# Altium PCB UZ_A_MAX11331_Daughter.PcbDoc (part 7 of 7) (continued)
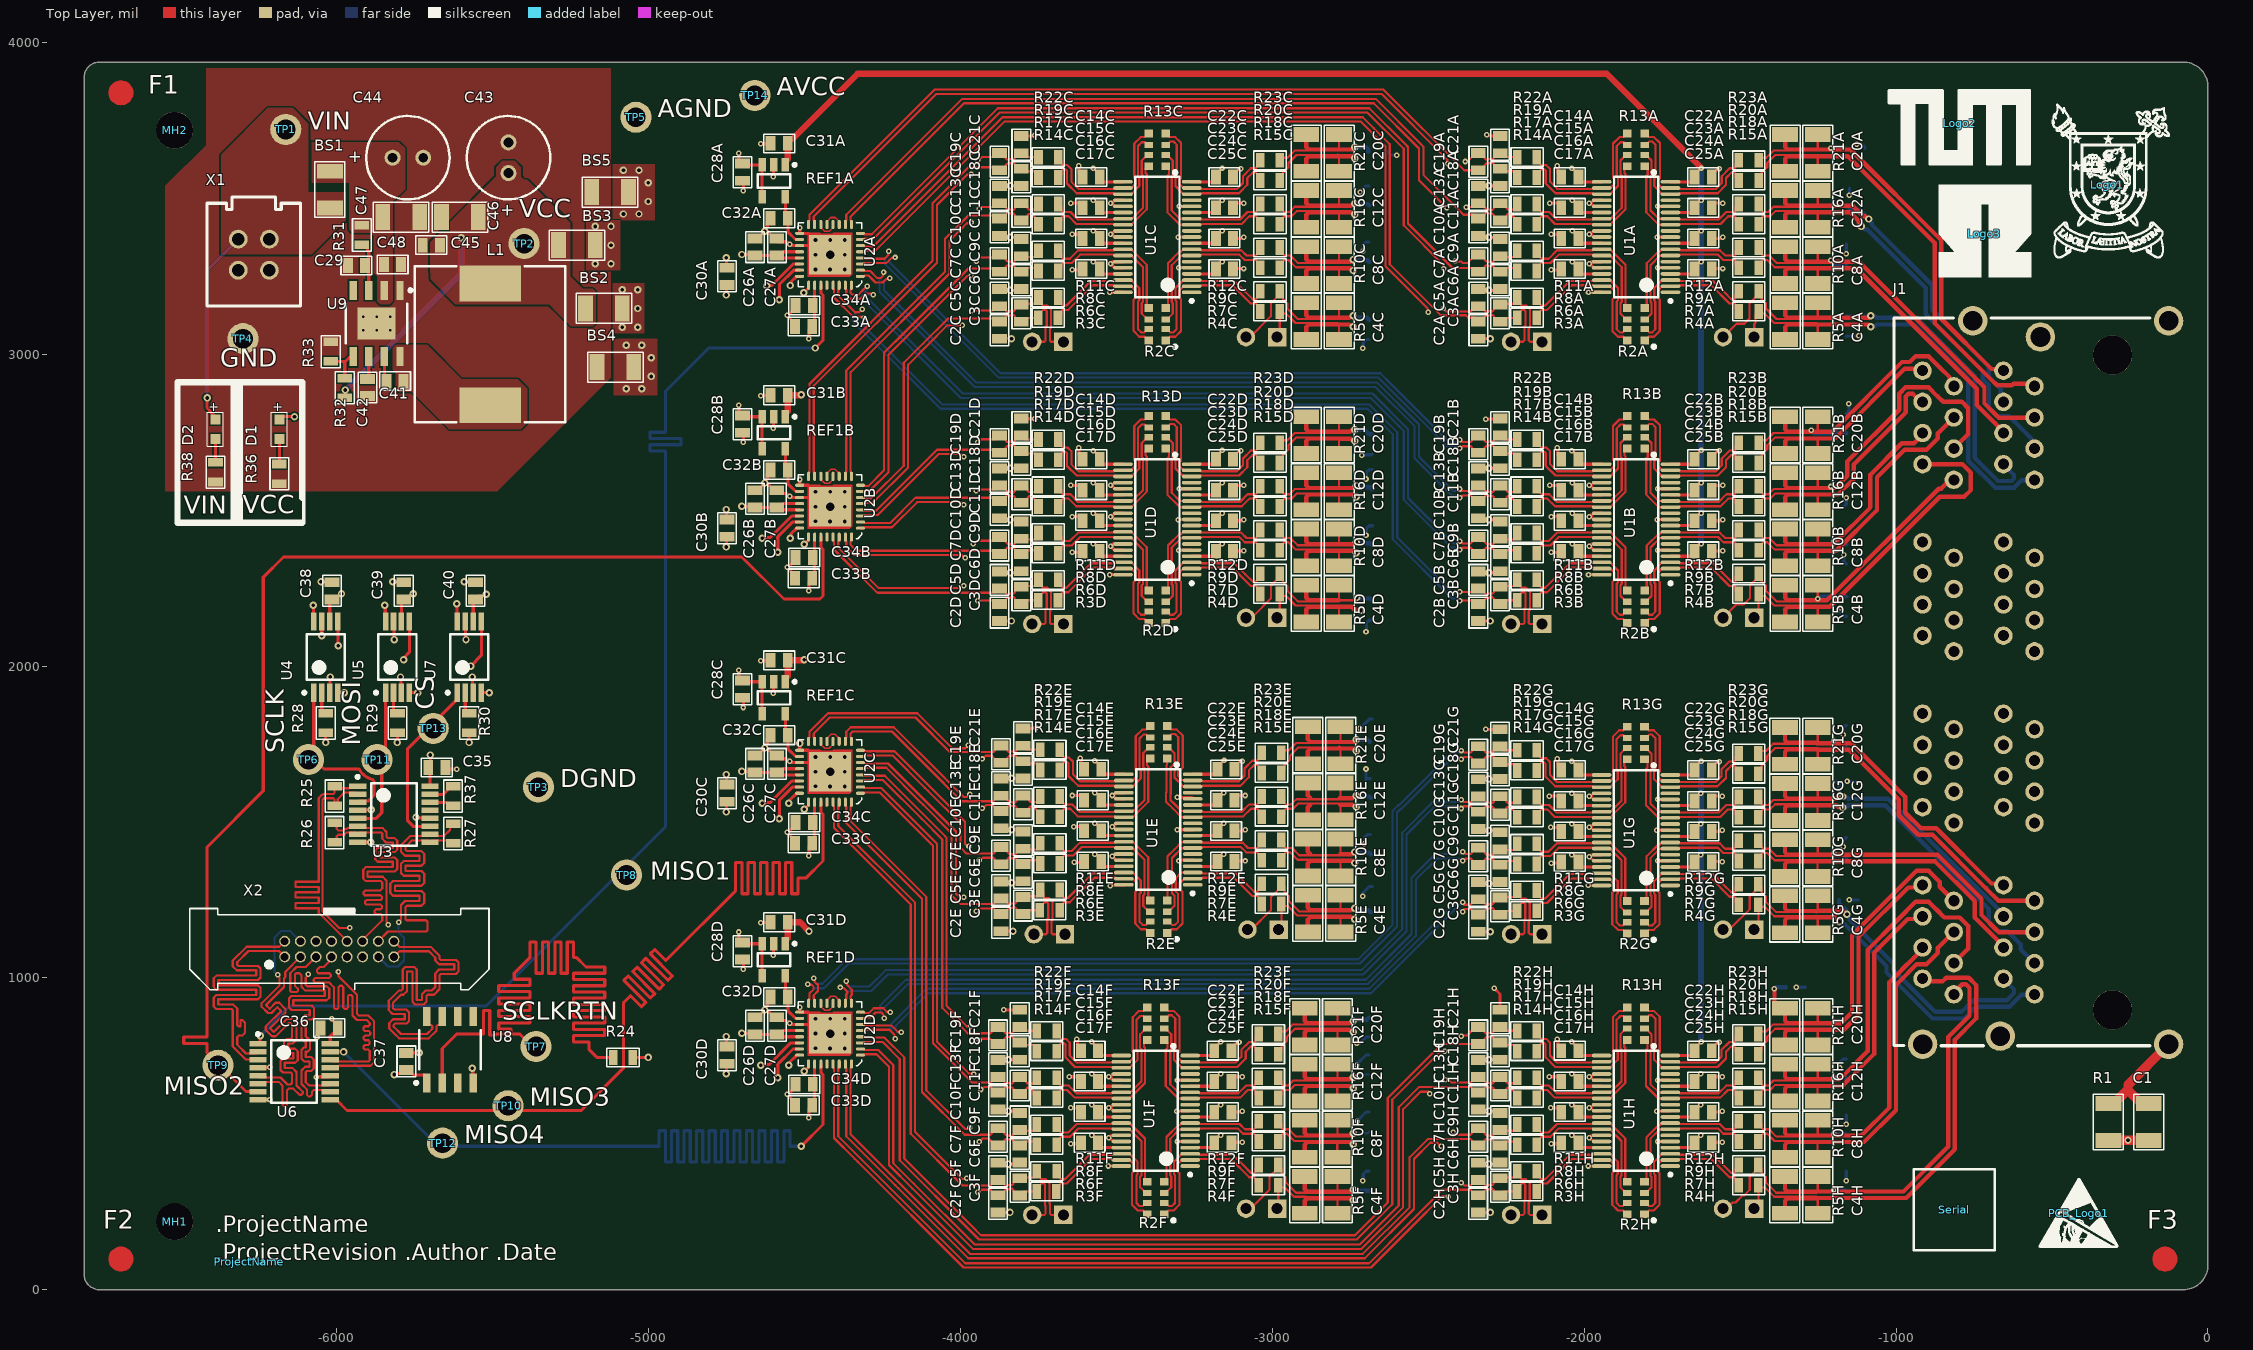
[diagram p0: Top Layer view]
## Nets (pads, with @x,y where several pads share a name; then routed paths per layer and width w, separated by ;. In a path a pad name is that pad's centre, name@x,y a point inside that pad or via, vN(x,y) a via of type N, cw(c..) or ccw(c..) an arc to the next point about the centre after c; other vN are vias at no path point) (continued)
  Top Layer w7: R17H.2@-2152.29,680 -2142.01,669.72 -2142.01,658.6 -2137.91,654.5 -2112.91,654.5 -2088.4,629.99 -1974.15,629.99 -1971.31,632.83 U1H.26@-1944.42,632.83 -1917.52,632.83 -1915.12,635.24 -1913.02,635.24 -1880.42,667.84 -1880.42,771.03 -1884.26,774.87 -1884.26,819.22 -1865.92,837.56 R13H.7@-1861.98,837.56
TD3A_N: R2A.6 R8A.2 U1A.32 | length 497.1
  Top Layer w7: R8A.2@-2151.82,3267.05 -2141.54,3277.33 -2141.54,3288.45 -2137.44,3292.55 -2108.49,3292.55 -2081.42,3319.61 -1973.68,3319.61 -1970.84,3316.77 U1A.32@-1943.94,3316.77 -1917.66,3316.77 -1879.95,3279.05 -1879.95,3168.43 -1883.79,3164.58 -1883.79,3130.39 -1865.45,3112.05 R2A.6@-1861.51,3112.05
TD3A_P: R2A.5 R11A.2 U1A.31 | length 474.9
  Top Layer w7: R11A.2@-2151.82,3332.05 -2141.54,3321.77 -2141.54,3310.65 -2137.44,3306.55 -2114.29,3306.55 -2087.22,3333.61 -1973.68,3333.61 -1970.84,3336.46 U1A.31@-1943.94,3336.46 -1917.67,3336.46 -1867.95,3286.74 -1867.95,3154.9 R2A.5@-1861.51,3148.46
TD3B_N: R2B.6 R8B.2 U1B.32 | length 497.1
  Top Layer w7: R8B.2@-2151.82,2361.54 -2141.54,2371.82 -2141.54,2382.93 -2137.44,2387.04 -2108.49,2387.04 -2081.42,2414.1 -1973.68,2414.1 -1970.84,2411.26 U1B.32@-1943.94,2411.26 -1917.66,2411.26 -1879.95,2373.54 -1879.95,2262.91 -1883.79,2259.07 -1883.79,2224.88 -1865.45,2206.54 R2B.6@-1861.51,2206.54
TD3B_P: R2B.5 R11B.2 U1B.31 | length 474.9
  Top Layer w7: R11B.2@-2151.82,2426.54 -2141.54,2416.26 -2141.54,2405.14 -2137.44,2401.04 -2114.29,2401.04 -2087.22,2428.1 -1973.68,2428.1 -1970.84,2430.94 U1B.31@-1943.94,2430.94 -1917.67,2430.94 -1867.95,2381.23 -1867.95,2249.39 R2B.5@-1861.51,2242.95
TD3C_N: R2C.6 R8C.2 U1C.32 | length 497.1
  Top Layer w7: R8C.2@-3687.25,3267.05 -3676.97,3277.33 -3676.97,3288.45 -3672.87,3292.55 -3643.92,3292.55 -3616.86,3319.61 -3509.11,3319.61 -3506.27,3316.77 U1C.32@-3479.38,3316.77 -3453.1,3316.77 -3415.38,3279.05 -3415.38,3168.43 -3419.22,3164.58 -3419.22,3130.39 -3400.88,3112.05 R2C.6@-3396.94,3112.05
TD3C_P: R2C.5 R11C.2 U1C.31 | length 474.9
  Top Layer w7: R11C.2@-3687.25,3332.05 -3676.97,3321.77 -3676.97,3310.65 -3672.87,3306.55 -3649.72,3306.55 -3622.66,3333.61 -3509.11,3333.61 -3506.27,3336.46 U1C.31@-3479.38,3336.46 -3453.1,3336.46 -3403.38,3286.74 -3403.38,3154.9 R2C.5@-3396.94,3148.46
TD3D_N: R2D.6 R8D.2 U1D.32 | length 497.1
  Top Layer w7: R8D.2@-3687.25,2361.54 -3676.97,2371.82 -3676.97,2382.93 -3672.87,2387.04 -3643.92,2387.04 -3616.86,2414.1 -3509.11,2414.1 -3506.27,2411.26 U1D.32@-3479.38,2411.26 -3453.1,2411.26 -3415.38,2373.54 -3415.38,2262.91 -3419.22,2259.07 -3419.22,2224.88 -3400.88,2206.54 R2D.6@-3396.94,2206.54
TD3D_P: R2D.5 R11D.2 U1D.31 | length 474.9
  Top Layer w7: R11D.2@-3687.25,2426.54 -3676.97,2416.26 -3676.97,2405.14 -3672.87,2401.04 -3649.72,2401.04 -3622.66,2428.1 -3509.11,2428.1 -3506.27,2430.94 U1D.31@-3479.38,2430.94 -3453.1,2430.94 -3403.38,2381.23 -3403.38,2249.39 R2D.5@-3396.94,2242.95
TD3E_N: R2E.6 R8E.2 U1E.32 | length 497.1
  Top Layer w7: R8E.2@-3682.24,1367.05 -3671.96,1377.33 -3671.96,1388.45 -3667.86,1392.55 -3638.91,1392.55 -3611.85,1419.61 -3504.1,1419.61 -3501.26,1416.77 -3474.37,1416.77 -3448.09,1416.77 -3410.37,1379.05 -3410.37,1268.43 -3414.21,1264.58 -3414.21,1230.39 -3395.87,1212.05 R2E.6@-3391.93,1212.05
TD3E_P: R2E.5 R11E.2 U1E.31 | length 474.9
  Top Layer w7: R11E.2@-3682.24,1432.05 -3671.96,1421.77 -3671.96,1410.65 -3667.86,1406.55 -3644.71,1406.55 -3617.65,1433.61 -3504.1,1433.61 -3501.26,1436.46 -3474.37,1436.46 -3448.09,1436.46 -3398.37,1386.74 -3398.37,1254.9 R2E.5@-3391.93,1248.46
TD3F_N: R2F.6 R8F.2 U1F.32 | length 497.1
  Top Layer w7: R8F.2@-3692.29,465 -3682.01,475.28 -3682.01,486.4 -3677.91,490.5 -3648.96,490.5 -3621.9,517.57 -3514.15,517.57 -3511.31,514.72 U1F.32@-3484.42,514.72 -3458.14,514.72 -3420.42,477.01 -3420.42,366.38 -3424.26,362.54 -3424.26,328.34 -3405.92,310 R2F.6@-3401.98,310
TD3F_P: R2F.5 R11F.2 U1F.31 | length 474.9
  Top Layer w7: R11F.2@-3692.29,530 -3682.01,519.72 -3682.01,508.6 -3677.91,504.5 -3654.76,504.5 -3627.69,531.57 -3514.15,531.57 -3511.31,534.41 U1F.31@-3484.42,534.41 -3458.14,534.41 -3408.42,484.69 -3408.42,352.85 R2F.5@-3401.98,346.42
TD3G_N: R2G.6 R8G.2 U1G.32 | length 497.1
  Top Layer w7: R8G.2@-2152.29,1365 -2142.01,1375.28 -2142.01,1386.4 -2137.91,1390.5 -2108.96,1390.5 -2081.9,1417.57 -1974.15,1417.57 -1971.31,1414.72 U1G.32@-1944.42,1414.72 -1918.14,1414.72 -1880.42,1377.01 -1880.42,1266.38 -1884.26,1262.54 -1884.26,1228.34 -1865.92,1210 R2G.6@-1861.98,1210
TD3G_P: R2G.5 R11G.2 U1G.31 | length 474.9
  Top Layer w7: R11G.2@-2152.29,1430 -2142.01,1419.72 -2142.01,1408.6 -2137.91,1404.5 -2114.76,1404.5 -2087.69,1431.57 -1974.15,1431.57 -1971.31,1434.41 U1G.31@-1944.42,1434.41 -1918.14,1434.41 -1868.42,1384.69 -1868.42,1252.85 R2G.5@-1861.98,1246.42
TD3H_N: R2H.6 R8H.2 U1H.32 | length 497.1
  Top Layer w7: R8H.2@-2152.29,465 -2142.01,475.28 -2142.01,486.4 -2137.91,490.5 -2108.96,490.5 -2081.9,517.57 -1974.15,517.57 -1971.31,514.72 U1H.32@-1944.42,514.72 -1918.14,514.72 -1880.42,477.01 -1880.42,366.38 -1884.26,362.54 -1884.26,328.34 -1865.92,310 R2H.6@-1861.98,310
TD3H_P: R2H.5 R11H.2 U1H.31 | length 474.9
  Top Layer w7: R11H.2@-2152.29,530 -2142.01,519.72 -2142.01,508.6 -2137.91,504.5 -2114.76,504.5 -2087.69,531.57 -1974.15,531.57 -1971.31,534.41 U1H.31@-1944.42,534.41 -1918.14,534.41 -1868.42,484.69 -1868.42,352.85 R2H.5@-1861.98,346.42
TD4A_N: R2A.8 R3A.2 U1A.37 | length 498.2
  Top Layer w7: R3A.2@-2152.24,3117.05 -2141.96,3127.33 -2141.96,3138.36 -2137.86,3142.46 -2119.16,3142.46 -2040.44,3221.19 -1973.68,3221.19 -1970.84,3218.35 -1917.66,3218.35 -1903.95,3204.63 -1903.95,3181.2 -1909.79,3175.35 -1909.79,3074.35 -1891.59,3056.15 -1874.71,3056.15 -1862.69,3044.13 R2A.8@-1861.51,3044.13
TD4A_P: R2A.7 R6A.2 U1A.36 | length 498
  Top Layer w7: R6A.2@-2151.82,3182.05 -2141.54,3171.77 -2141.54,3160.56 -2137.44,3156.46 -2124.96,3156.46 -2046.23,3235.19 -1973.68,3235.19 -1970.84,3238.03 U1A.36@-1943.94,3238.03 -1917.67,3238.03 -1891.95,3212.31 -1891.95,3173.4 -1895.79,3169.55 -1895.79,3080.15 -1885.79,3070.15 -1875.85,3070.15 -1865.45,3080.55 R2A.7@-1861.51,3080.55
TD4B_N: R2B.8 R3B.2 U1B.37 | length 498.2
  Top Layer w7: R3B.2@-2152.24,2211.54 -2141.96,2221.82 -2141.96,2232.85 -2137.86,2236.95 -2119.16,2236.95 -2040.44,2315.68 -1973.68,2315.68 -1970.84,2312.83 -1917.66,2312.83 -1903.95,2299.12 -1903.95,2275.68 -1909.79,2269.84 -1909.79,2168.84 -1891.59,2150.64 -1874.71,2150.64 -1862.69,2138.62 R2B.8@-1861.51,2138.62
TD4B_P: R2B.7 R6B.2 U1B.36 | length 498
  Top Layer w7: R6B.2@-2151.82,2276.54 -2141.54,2266.26 -2141.54,2255.05 -2137.44,2250.95 -2124.96,2250.95 -2046.23,2329.68 -1973.68,2329.68 -1970.84,2332.52 U1B.36@-1943.94,2332.52 -1917.67,2332.52 -1891.95,2306.8 -1891.95,2267.89 -1895.79,2264.04 -1895.79,2174.64 -1885.79,2164.64 -1875.85,2164.64 -1865.45,2175.04 R2B.7@-1861.51,2175.04
TD4C_N: R2C.8 R3C.2 U1C.37 | length 498.2
  Top Layer w7: R3C.2@-3687.67,3117.05 -3677.39,3127.33 -3677.39,3138.36 -3673.29,3142.46 -3654.6,3142.46 -3575.87,3221.19 -3509.11,3221.19 -3506.27,3218.35 -3453.1,3218.35 -3439.38,3204.63 -3439.38,3181.2 -3445.22,3175.35 -3445.22,3074.35 -3427.02,3056.15 -3410.14,3056.15 -3398.12,3044.13 R2C.8@-3396.94,3044.13
TD4C_P: R2C.7 R6C.2 U1C.36 | length 498
  Top Layer w7: R6C.2@-3687.25,3182.05 -3676.97,3171.77 -3676.97,3160.56 -3672.87,3156.46 -3660.4,3156.46 -3581.67,3235.19 -3509.11,3235.19 -3506.27,3238.03 U1C.36@-3479.38,3238.03 -3453.1,3238.03 -3427.38,3212.31 -3427.38,3173.4 -3431.22,3169.55 -3431.22,3080.15 -3421.22,3070.15 -3411.28,3070.15 -3400.88,3080.55 R2C.7@-3396.94,3080.55
TD4D_N: R2D.8 R3D.2 U1D.37 | length 498.2
  Top Layer w7: R3D.2@-3687.67,2211.54 -3677.39,2221.82 -3677.39,2232.85 -3673.29,2236.95 -3654.6,2236.95 -3575.87,2315.68 -3509.11,2315.68 -3506.27,2312.83 -3453.1,2312.83 -3439.38,2299.12 -3439.38,2275.68 -3445.22,2269.84 -3445.22,2168.84 -3427.02,2150.64 -3410.14,2150.64 -3398.12,2138.62 R2D.8@-3396.94,2138.62
TD4D_P: R2D.7 R6D.2 U1D.36 | length 498
  Top Layer w7: R6D.2@-3687.25,2276.54 -3676.97,2266.26 -3676.97,2255.05 -3672.87,2250.95 -3660.4,2250.95 -3581.67,2329.68 -3509.11,2329.68 -3506.27,2332.52 U1D.36@-3479.38,2332.52 -3453.1,2332.52 -3427.38,2306.8 -3427.38,2267.89 -3431.22,2264.04 -3431.22,2174.64 -3421.22,2164.64 -3411.28,2164.64 -3400.88,2175.04 R2D.7@-3396.94,2175.04
TD4E_N: R2E.8 R3E.2 U1E.37 | length 498.2
  Top Layer w7: R3E.2@-3682.66,1217.05 -3672.38,1227.33 -3672.38,1238.36 -3668.28,1242.46 -3649.59,1242.46 -3570.86,1321.19 -3504.1,1321.19 -3501.26,1318.35 -3448.09,1318.35 -3434.37,1304.63 -3434.37,1281.2 -3440.21,1275.35 -3440.21,1174.35 -3422.01,1156.15 -3405.13,1156.15 -3393.12,1144.13 R2E.8@-3391.93,1144.13
TD4E_P: R2E.7 R6E.2 U1E.36 | length 498
  Top Layer w7: R6E.2@-3682.24,1282.05 -3671.96,1271.77 -3671.96,1260.56 -3667.86,1256.46 -3655.39,1256.46 -3576.66,1335.19 -3504.1,1335.19 -3501.26,1338.03 -3474.37,1338.03 -3448.09,1338.03 -3422.37,1312.31 -3422.37,1273.4 -3426.21,1269.55 -3426.21,1180.15 -3416.21,1170.15 -3406.27,1170.15 -3395.87,1180.55 R2E.7@-3391.93,1180.55
TD4F_N: R2F.8 R3F.2 U1F.37 | length 498.2
  Top Layer w7: R3F.2@-3692.71,315 -3682.43,325.28 -3682.43,336.31 -3678.33,340.41 -3659.64,340.41 -3580.91,419.14 -3514.15,419.14 -3511.31,416.3 -3458.14,416.3 -3444.42,402.58 -3444.42,379.15 -3450.26,373.31 -3450.26,272.3 -3432.06,254.1 -3415.18,254.1 -3403.16,242.09 R2F.8@-3401.98,242.09
TD4F_P: R2F.7 R6F.2 U1F.36 | length 498
  Top Layer w7: R6F.2@-3692.29,380 -3682.01,369.72 -3682.01,358.51 -3677.91,354.41 -3665.44,354.41 -3586.71,433.14 -3514.15,433.14 -3511.31,435.98 U1F.36@-3484.42,435.98 -3458.14,435.98 -3432.42,410.27 -3432.42,371.35 -3436.26,367.51 -3436.26,278.1 -3426.26,268.1 -3416.32,268.1 -3405.92,278.5 R2F.7@-3401.98,278.5
TD4G_N: R2G.8 R3G.2 U1G.37 | length 498.2
  Top Layer w7: R3G.2@-2152.71,1215 -2142.43,1225.28 -2142.43,1236.31 -2138.33,1240.41 -2119.64,1240.41 -2040.91,1319.14 -1974.15,1319.14 -1971.31,1316.3 -1918.14,1316.3 -1904.42,1302.58 -1904.42,1279.15 -1910.26,1273.31 -1910.26,1172.3 -1892.06,1154.1 -1875.18,1154.1 -1863.16,1142.09 R2G.8@-1861.98,1142.09
TD4G_P: R2G.7 R6G.2 U1G.36 | length 498
  Top Layer w7: R6G.2@-2152.29,1280 -2142.01,1269.72 -2142.01,1258.51 -2137.91,1254.41 -2125.44,1254.41 -2046.71,1333.14 -1974.15,1333.14 -1971.31,1335.98 U1G.36@-1944.42,1335.98 -1918.14,1335.98 -1892.42,1310.27 -1892.42,1271.35 -1896.26,1267.51 -1896.26,1178.1 -1886.26,1168.1 -1876.32,1168.1 -1865.92,1178.5 R2G.7@-1861.98,1178.5
TD4H_N: R2H.8 R3H.2 U1H.37 | length 498.2
  Top Layer w7: R3H.2@-2152.71,315 -2142.43,325.28 -2142.43,336.31 -2138.33,340.41 -2119.64,340.41 -2040.91,419.14 -1974.15,419.14 -1971.31,416.3 -1918.14,416.3 -1904.42,402.58 -1904.42,379.15 -1910.26,373.31 -1910.26,272.3 -1892.06,254.1 -1875.18,254.1 -1863.16,242.09 R2H.8@-1861.98,242.09
TD4H_P: R2H.7 R6H.2 U1H.36 | length 498
  Top Layer w7: R6H.2@-2152.29,380 -2142.01,369.72 -2142.01,358.51 -2137.91,354.41 -2125.44,354.41 -2046.71,433.14 -1974.15,433.14 -1971.31,435.98 U1H.36@-1944.42,435.98 -1918.14,435.98 -1892.42,410.27 -1892.42,371.35 -1896.26,367.51 -1896.26,278.1 -1886.26,268.1 -1876.32,268.1 -1865.92,278.5 R2H.7@-1861.98,278.5
VCC: BS2.2 BS3.1 C43.2 C45.1 C46.1 L1.2 R32.2 TP2.1 | length 668.2
  Top Layer w10: R32.2@-5975,2860.71 -5973.19,2862.51 v2(-5973.19,2885.24)
  Bottom Layer w20: v2(-5973.19,2885.24) -5601,3257.43 v2(-5601,3374)
VCOMA: C22A.2 C22B.2 C23A.2 C23B.2 C24A.2 C24B.2 C25A.2 C25B.2 C31A.1 REF1A.1 U1A.4 U1A.9 U1A.14 U1A.19 U1B.4 U1B.9 U1B.14 U1B.19 | length 5407.9
  Top Layer w10: REF1A.1@-4561.94,3607.52 -4561.94,3617.36 REF1A.1@-4554.22,3625.08 ; U1B.4@-1723.47,2352.2 -1656.82,2352.2 -1646.07,2362.95 C25B.2@-1646.07,2367.95 -1646.07,2375.83 -1631.63,2390.27 -1627.03,2390.27 v1(-1625.56,2391.74) ; U1B.9@-1723.47,2450.63 -1656.82,2450.63 -1646.07,2461.38 C24B.2@-1646.07,2466.07 -1646.07,2473.94 -1631.31,2488.69 -1627.03,2488.69 v1(-1625.55,2490.17) ; U1B.14@-1723.47,2549.05 -1656.82,2549.05 -1646.07,2559.8 C23B.2@-1646.07,2564.12 -1646.07,2571.99 -1630.94,2587.12 -1627.01,2587.12 v1(-1625.54,2588.59) ; U1B.19@-1723.47,2647.48 -1656.82,2647.48 -1646.07,2658.23 C22B.2@-1646.07,2663.23 -1646.07,2671.1 -1625.38,2691.79 v1(-1624.9,2691.79) ; U1A.4@-1723.47,3257.72 -1656.82,3257.72 -1646.07,3268.46 C25A.2@-1646.07,3273.46 -1646.07,3281.34 -1631.63,3295.78 -1627.03,3295.78 v1(-1625.56,3297.26) ; U1A.9@-1723.47,3356.14 -1656.82,3356.14 -1646.07,3366.89 C24A.2@-1646.07,3371.58 -1646.07,3379.45 -1631.31,3394.2 -1627.03,3394.2 v1(-1625.55,3395.68) ; U1A.14@-1723.47,3454.57 -1656.82,3454.57 -1646.07,3465.31 C23A.2@-1646.07,3469.63 -1646.07,3477.5 -1630.94,3492.63 -1627.01,3492.63 v1(-1625.54,3494.11) ; U1A.19@-1723.47,3552.99 -1656.82,3552.99 -1646.07,3563.74 C22A.2@-1646.07,3568.74 -1646.07,3576.61 -1625.38,3597.3 v1@-1625.38,3597.78
  Top Layer w20: REF1A.1@-4554.22,3625.08 -4554.22,3684.21 -4548.47,3689.96 -4540.6,3689.96 -4330.56,3900 -1927.6,3900 v1@-1625.38,3597.78
  Bottom Layer w10: v1(-1625.56,2391.74) v1@-1625.23,2392.07 ; v1@-1625.23,3596.97 v1(-1624.9,3597.3)
  Bottom Layer w20: v1@-1625.23,2392.07 v1@-1625.23,3596.97
VCOMC: C22C.2 C22D.2 C23C.2 C23D.2 C24C.2 C24D.2 C25C.2 C25D.2 C31B.1 REF1B.1 U1C.4 U1C.9 U1C.14 U1C.19 U1D.4 U1D.9 U1D.14 U1D.19 | length 3620.6
  Top Layer w10: U1D.4@-3258.9,2352.2 -3192.25,2352.2 -3181.5,2362.95 C25D.2@-3181.5,2367.95 -3181.5,2375.83 -3167.06,2390.27 -3162.47,2390.27 v1(-3160.99,2391.74) ; U1D.9@-3258.9,2450.63 -3192.25,2450.63 -3181.5,2461.38 C24D.2@-3181.5,2466.07 -3181.5,2473.94 -3166.75,2488.69 -3162.46,2488.69 v1(-3160.98,2490.17) ; U1D.14@-3258.9,2549.05 -3192.25,2549.05 -3181.5,2559.8 C23D.2@-3181.5,2564.12 -3181.5,2571.99 -3166.37,2587.12 -3162.45,2587.12 v1(-3160.97,2588.59) ; U1D.19@-3258.9,2647.48 -3192.25,2647.48 -3181.5,2658.23 C22D.2@-3181.5,2663.23 -3181.5,2671.1 -3160.82,2691.79 v1(-3160.33,2691.79) ; U1C.4@-3258.9,3257.72 -3192.25,3257.72 -3181.5,3268.46 C25C.2@-3181.5,3273.46 -3181.5,3281.34 -3167.06,3295.78 -3162.47,3295.78 v1(-3160.99,3297.26) ; U1C.9@-3258.9,3356.14 -3192.25,3356.14 -3181.5,3366.89 C24C.2@-3181.5,3371.58 -3181.5,3379.45 -3166.75,3394.2 -3162.46,3394.2 v1(-3160.98,3395.68) ; U1C.14@-3258.9,3454.57 -3192.25,3454.57 -3181.5,3465.31 C23C.2@-3181.5,3469.63 -3181.5,3477.5 -3166.37,3492.63 -3162.45,3492.63 v1(-3160.97,3494.11) ; U1C.19@-3258.9,3552.99 -3192.25,3552.99 -3181.5,3563.74 C22C.2@-3181.5,3568.74 -3181.5,3576.61 -3160.82,3597.3 v1(-3160.33,3597.3)
  Top Layer w20: REF1B.1@-4561.94,2799.72 -4561.94,2809.57 -4554.22,2817.28 C31B.1@-4554.22,2868.54 -4513.86,2868.54 -4512.4,2870 v2(-4511.42,2870)
  Signal 1 w20: v2(-4511.42,2870) -3338.54,2870 ; v1(-3160.99,2391.74) -3160.33,2392.4 v1(-3160.33,2691.79) -3338.54,2870 ; v1(-3160.33,3597.3) -3160.99,3596.64 v1(-3160.99,3297.26) -3160.99,3047.56 -3338.54,2870
VCOME: C22E.2 C22F.2 C23E.2 C23F.2 C24E.2 C24F.2 C25E.2 C25F.2 C31C.1 REF1C.1 U1E.4 U1E.9 U1E.14 U1E.19 U1F.4 U1F.9 U1F.14 U1F.19 | length 4040.8
  Top Layer w10: U1F.4@-3263.94,455.67 -3197.29,455.67 -3186.54,466.42 C25F.2@-3186.54,471.42 -3186.54,479.29 -3172.1,493.73 -3167.5,493.73 v1(-3166.03,495.21) ; U1F.9@-3263.94,554.09 -3197.29,554.09 -3186.54,564.84 C24F.2@-3186.54,569.53 -3186.54,577.4 -3171.79,592.16 -3167.5,592.16 v1(-3166.02,593.63) ; U1F.14@-3263.94,652.52 -3197.29,652.52 -3186.54,663.27 C23F.2@-3186.54,667.58 -3186.54,675.45 -3171.41,690.58 -3167.49,690.58 v1(-3166.01,692.06) ; U1F.19@-3263.94,750.94 -3197.29,750.94 -3186.54,761.69 C22F.2@-3186.54,766.69 -3186.54,774.57 -3165.85,795.25 v1(-3165.37,795.25) ; U1E.4@-3253.9,1357.72 -3187.24,1357.72 -3176.49,1368.46 C25E.2@-3176.49,1373.46 -3176.49,1381.34 -3162.05,1395.78 -3157.46,1395.78 v1(-3155.98,1397.26) ; U1E.9@-3253.9,1456.14 -3187.24,1456.14 -3176.49,1466.89 C24E.2@-3176.49,1471.58 -3176.49,1479.45 -3161.74,1494.2 -3157.45,1494.2 v1(-3155.98,1495.68) ; U1E.14@-3253.9,1554.57 -3187.24,1554.57 -3176.49,1565.31 C23E.2@-3176.49,1569.63 -3176.49,1577.5 -3161.36,1592.63 -3157.44,1592.63 v1(-3155.96,1594.11) ; U1E.19@-3253.9,1652.99 -3187.24,1652.99 -3176.49,1663.74 C22E.2@-3176.49,1668.74 -3176.49,1676.61 -3155.81,1697.3 v1(-3155.32,1697.3)
  Top Layer w20: REF1C.1@-4561.94,1949.72 -4561.94,1959.57 -4554.22,1967.28 C31C.1@-4554.22,2018.54 -4503.86,2018.54 -4502.4,2020 v2(-4501.42,2020)
  Signal 1 w20: v2(-4501.42,2020) -3476.18,2020 v1@-3155.9,1699.72 ; v1(-3166.03,495.21) -3165.37,495.87 v1(-3165.37,795.25) -3156.56,804.06 v1@-3156.56,1399.68 ; -3155.98,1147.56 v1(-3155.98,1397.26) -3155.98,1696.64 v1(-3155.32,1697.3)
VCOMG: C22G.2 C22H.2 C23G.2 C23H.2 C24G.2 C24H.2 C25G.2 C25H.2 C31D.1 REF1D.1 U1G.4 U1G.9 U1G.14 U1G.19 U1H.4 U1H.9 U1H.14 U1H.19 | length 5338.8
  Top Layer w10: U1H.4@-1723.94,455.67 -1657.29,455.67 -1646.54,466.42 C25H.2@-1646.54,471.42 -1646.54,479.29 -1632.1,493.73 -1627.5,493.73 v1(-1626.03,495.21) ; U1H.9@-1723.94,554.09 -1657.29,554.09 -1646.54,564.84 C24H.2@-1646.54,569.53 -1646.54,577.4 -1631.79,592.16 -1627.5,592.16 v1(-1626.02,593.63) ; U1H.14@-1723.94,652.52 -1657.29,652.52 -1646.54,663.27 C23H.2@-1646.54,667.58 -1646.54,675.45 -1631.41,690.58 -1627.49,690.58 v1(-1626.01,692.06) ; U1H.19@-1723.94,750.94 -1657.29,750.94 -1646.54,761.69 C22H.2@-1646.54,766.69 -1646.54,774.57 -1625.85,795.25 v1(-1625.37,795.25) ; U1G.4@-1723.94,1355.67 -1657.29,1355.67 -1646.54,1366.42 C25G.2@-1646.54,1371.42 -1646.54,1379.29 -1632.1,1393.73 -1627.5,1393.73 v1(-1626.03,1395.21) ; U1G.9@-1723.94,1454.09 -1657.29,1454.09 -1646.54,1464.84 C24G.2@-1646.54,1469.53 -1646.54,1477.4 -1631.79,1492.16 -1627.5,1492.16 v1(-1626.02,1493.63) ; U1G.14@-1723.94,1552.52 -1657.29,1552.52 -1646.54,1563.27 C23G.2@-1646.54,1567.58 -1646.54,1575.45 -1631.41,1590.58 -1627.49,1590.58 v1(-1626.01,1592.06) ; U1G.19@-1723.94,1650.94 -1657.29,1650.94 -1646.54,1661.69 C22G.2@-1646.54,1666.69 -1646.54,1674.57 -1625.85,1695.25 v1(-1625.37,1695.25)
  Top Layer w20: REF1D.1@-4561.94,1109.72 -4561.94,1119.57 -4554.22,1127.28 C31D.1@-4554.22,1178.54 -4514.97,1178.54 v2(-4486.42,1150)
  Signal 2 w20: v2(-4486.42,1150) -4346.42,1010 -1840.12,1010 v1(-1625.37,795.25) -1625.37,495.87 v1(-1626.03,495.21)
  Bottom Layer w20: v1(-1625.37,795.25) v1(-1625.37,1695.25)
VIN: BS1.1 D2.2 TP1.1 X1.3 X1.4 | length 621.9
  Top Layer w10: v2(-6416.42,2860) -6416.42,2827.76 -6408.31,2819.65 -6408.31,2817.68 -6391.66,2801.02 D2.2@-6389.69,2801.02
  Bottom Layer w10: v2(-6416.42,2860) -6416.42,3269.65 X1.4@-6316.7,3369.37
VIN_CVN: BS1.2 C44.2 C47.1 C48.1 R31.2 U9.2
pads on no net: J1. J1.S1 J1.S2 J1.S4 J1.S5 J1.S6 MH1.1 MH2.1 U1A.1 U1A.6 U1A.11 U1A.16 U1B.1 U1B.6 U1B.11 U1B.16 U1C.1 U1C.6 U1C.11 U1C.16 U1D.1 U1D.6 U1D.11 U1D.16 U1E.1 U1E.6 U1E.11 U1E.16 U1F.1 U1F.6 U1F.11 U1F.16 U1G.1 U1G.6 U1G.11 U1G.16 U1H.1 U1H.6 U1H.11 U1H.16 U2A.28 U2B.28 U2C.28 U2D.28 U3.13 U8.3 U8.5 U8.6 U9.4

## Polygon pours and split planes (outlines as drawn)
PGND on Top Layer "TOP_PGND" (solid, pour order 9): -6420,3940 -6420,3670 -6550.42,3540 -6550.42,2560 -5486.42,2560 -5121.42,2925 -5121.42,3940
AGND on Top Layer "TOP_AGND" (solid, pour order 12): -5121.42,3610 -4981.42,3610 -4981.42,3430 -5121.42,3430
DGND on Top Layer "TOP_Dgnd" (solid, pour order 11): -5112.42,3049 -4972.42,3049 -4972.42,2869 -5112.42,2869
VIN_CVN on Top Layer "TOP_VIN_CVN" (solid, pour order 1): -6081.42,3550 -6081.42,3680 -5801.42,3680 -5781.42,3660 -5781.42,3530 -5821.42,3490 -5821.42,3170 -5831.42,3160 -5861.42,3160 -5871.42,3170 -5871.42,3250 -5881.42,3260 -5881.42,3380 -5891.42,3390 -5951.42,3390 -5961.42,3400 -5961.42,3550
VCC on Top Layer "TOP_VCC" (solid, pour order 6): -5290,3130 -5320,3160 -5620,3160 -5700,3240 -5701.42,3280 -5701.42,3360 -5491.42,3570 -5490,3570 -5490,3600 -5470,3620 -5430,3620 -5410,3600 -5410,3570 -5399.36,3559.36 -5389.36,3559.36 -5251.42,3421.42 -5251.42,3250 -5211.42,3210 -5180,3210 -5170,3200 -5170,3100 -5180,3090 -5250,3090
SW on Top Layer "TOP_SW" (solid, pour order 5): -5710,3030 -5600,2920 -5420,2920 -5390,2890 -5390,2780 -5410,2760 -5640,2760 -5760,2880 -5801.42,2880 -5811.42,2890 -5811.42,2940 -5821.42,2950 -5821.42,3020 -5811.42,3030
DVCC on Top Layer "TOP_DVCC" (solid, pour order 8): -5115,3227 -5115,3067 -5015,3067 -5015,3227
AVCC on Top Layer "TOP_AVCC" (solid, pour order 7): -5201.42,3430 -5201.42,3270 -5091.42,3270 -5091.42,3430
VIN on Top Layer "TOP_VIN" (solid, pour order 4): -6221.42,3790 -6371.42,3640 -6371.42,3320 -6081.42,3320 -5971.42,3430 -5971.42,3520 -6091.42,3520 -6091.42,3740 -6141.42,3790
DGND on GND "GND-DGND" (solid, pour order 16): -6552.42,380.22 -6390.22,380.22 -6390,380 -6390,0 -4436.42,0 -4436.42,735 -4446.42,745 -4781.42,745 -4796.42,760 -4796.42,1155 -4701.42,1250 -4516.42,1250 -4436.42,1330 -4436.42,1575 -4446.42,1585 -4786.42,1585 -4796.42,1595 -4796.42,1985 -4691.42,2090 -4511.42,2090 -4436.42,2165 -4436.42,2425 -4446.42,2435 -4786.42,2435 -4816.42,2465 -4816.42,2835 -4656.42,2995 -4436.42,2995 -4436.42,3235 -4446.42,3245 -5261.42,3245 -5261.42,3130 -5296.42,3095 -5411.42,3095 -5626.42,2880 -6552.42,2880
AGND on GND "GND_AGND" (solid, pour order 13): -4491.42,760 -4491.42,800 -4531.42,800 -4571.42,760 -4776.42,760 -4781.42,765 -4781.42,1150 -4696.42,1235 -4506.42,1235 -4421.42,1320 -4421.42,1580 -4441.42,1600 -4491.42,1600 -4491.42,1640 -4531.42,1640 -4571.42,1600 -4776.42,1600 -4781.42,1605 -4781.42,1975 -4681.42,2075 -4506.42,2075 -4421.42,2160 -4421.42,2430 -4441.42,2450 -4491.42,2450 -4491.42,2490 -4531.42,2490 -4571.42,2450 -4781.42,2450 -4801.42,2470 -4801.42,2830 -4650.14,2981.28 -4421.42,2981.28 -4421.42,3240 -4436.42,3255 -4491.42,3255 -4491.42,3300 -4531.42,3300 -4571.42,3260 -5261.42,3260 -5261.42,3937.01 -47.25,3937.01 -47.25,0 -4421.42,0 -4421.42,740 -4441.42,760
DVCC on VCC "VCC_DIG" (solid, pour order 19): -6552.42,380 -6390,380 -6390,0 -4436.42,0 -4436.42,735 -4446.42,745 -4781.42,745 -4796.42,760 -4796.42,1155 -4701.42,1250 -4516.42,1250 -4436.42,1330 -4436.42,1575 -4446.42,1585 -4786.42,1585 -4796.42,1595 -4796.42,1985 -4691.42,2090 -4511.42,2090 -4436.42,2165 -4436.42,2425 -4446.42,2435 -4786.42,2435 -4816.42,2465 -4816.42,2835 -4656.42,2995 -4436.42,2995 -4436.42,3235 -4446.42,3245 -5261.42,3245 -5261.42,3130 -5296.42,3095 -5411.42,3095 -5626.42,2880 -6552.42,2880
AVCC on VCC "VCC_ANL" (solid, pour order 20): -4491.42,760 -4491.42,800 -4531.42,800 -4571.42,760 -4776.42,760 -4781.42,765 -4781.42,1150 -4696.42,1235 -4506.42,1235 -4421.42,1320 -4421.42,1580 -4441.42,1600 -4491.42,1600 -4491.42,1640 -4531.42,1640 -4571.42,1600 -4776.42,1600 -4781.42,1605 -4781.42,1975 -4681.42,2075 -4506.42,2075 -4421.42,2160 -4421.42,2430 -4441.42,2450 -4491.42,2450 -4491.42,2490 -4531.42,2490 -4571.42,2450 -4781.42,2450 -4801.42,2470 -4801.42,2830 -4650.14,2981.28 -4421.42,2981.28 -4421.42,3240 -4436.42,3255 -4491.42,3255 -4491.42,3300 -4531.42,3300 -4571.42,3260 -5261.42,3260 -5261.42,3937.01 -47.25,3937.01 -47.25,0 -4421.42,0 -4421.42,740 -4441.42,760

## Silkscreen, mask and mechanical layers (free items; w line width, h text height)
Top Overlay:
  lines w10: -6106.42,2460 -6106.42,2540.9
  lines w20: -6111.42,2460 -6511.42,2460 -6511.42,2910 -6111.42,2910 -6111.42,2540
  lines w40: -6321.42,2475 -6321.42,2900
  text "VCC" at -6301.42,2471.11 h100
  text "VIN" at -6491.42,2470 h100
Bottom Overlay:
  drawing of 354 lines, arcs and shapes, not listed
  text "ADC2" at -2915.04,3720.01 h60
  text "ADC1" at -1332.51,3720.01 h60
  text "J1 CH1" at -1637.51,3250.01 h60
  text "J1 CH1" at -3150.04,3210.01 h60
  text "AIN" at -1410.02,3130.01 h60
  text "ADC IN" at -3530,3120.01 h60
  text "ADC IN" at -1985,3120.01 h60
  text "AIN" at -2935.02,3110.01 h60
  text "N" at -1515.01,2895.01 h60
  text "P" at -1402.57,2891.01 h60
  text "N" at -2195.01,2885.01 h60
  text "P" at -2082.57,2881.01 h60
  text "N" at -3045.01,2880.01 h60
  text "P" at -2932.57,2876.01 h60
  text "N" at -3730.01,2875.01 h60
  text "P" at -3617.57,2871.01 h60
  text "J2 CH4" at -1637.51,2372.02 h60
  text "J2 CH4" at -3150.04,2332.02 h60
  text "AIN" at -1400.02,2230.01 h60
  text "AIN" at -2940.02,2220.01 h60
  text "ADC IN" at -2005,2220.01 h60
  text "ADC IN" at -3515,2210.01 h60
  text "N" at -3045.01,1995.01 h60
  text "P" at -2932.57,1991.01 h60
  text "N" at -1520.01,1985.01 h60
  text "P" at -1407.57,1981.01 h60
  text "N" at -3730.01,1975.01 h60
  text "N" at -2190.01,1975.01 h60
  text "P" at -3617.57,1971.01 h60
  text "P" at -2077.57,1971.01 h60
  text "ADC3" at -2890.04,1785.01 h60
  text "ADC4" at -1360.04,1785.01 h60
  text "J1 CH1" at -1687.51,1365.01 h60
  text "J1 CH1" at -3125.04,1325.01 h60
  text "AIN" at -1400.02,1230.01 h60
  text "ADC IN" at -3520,1220.01 h60
  text "AIN" at -2930.02,1220.01 h60
  text "ADC IN" at -2010,1220.01 h60
  text "N" at -1515.01,1000.01 h60
  text "P" at -1402.57,996.01 h60
  text "N" at -3035.01,995.01 h60
  text "P" at -2922.57,991.01 h60
  text "N" at -3725.01,985.01 h60
  text "N" at -2195.01,985.01 h60
  text "P" at -3612.57,981.01 h60
  text "P" at -2082.57,981.01 h60
  text "J2 CH4" at -1687.51,487.02 h60
  text "J2 CH4" at -3125.04,447.02 h60
  text "ADC IN" at -3525,330.01 h60
  text "AIN" at -2930.02,330.01 h60
  text "ADC IN" at -1985,330.01 h60
  text "AIN" at -1410.02,325.01 h60
  text "N" at -3045.01,110.01 h60
  text "P" at -2932.57,106.01 h60
  text "N" at -1515.01,100.01 h60
  text "P" at -1402.57,96.01 h60
  text "N" at -2195.01,85.01 h60
  text "P" at -2082.57,81.01 h60
  text "N" at -3735.01,75.01 h60
  text "P" at -3622.57,71.01 h60
Mechanical 1:
  the board outline again, w5
Top Assembly:
  text "REF1 / A" at -4670.81,3509.34 h30
  text "REF1 / B" at -4653.32,2701.54 h30
  text "REF1 / C" at -4653.32,1851.54 h30
  text "REF1 / D" at -4653.32,1011.54 h30

## Dimensions
-6811.03,3887.01 to -0.01,3858.27 on Dimensions
-0.01,78.74 to 119.58,753 on Dimensions
-78.74,3937.01 to -78.74,0 on Dimensions

## Text inside footprints (layer, text, board x,y; h text height)
C43: Top Overlay "+" at -5469.69,3484.72 h39.37 r270
C44: Top Overlay "+" at -5918.27,3650.08 h39.37 r180
D1: Top Overlay "+" at -6172.84,2842.36 h30 r180
D2: Top Overlay "+" at -6377.88,2842.36 h30 r180
J1: Top Assembly "1" at -449.49,938.4 h60 r90
Serial: Top Assembly "SerialNr" at -911.42,322.83 h27.56